# KiCad board Marble_Tiny.kicad_pcb
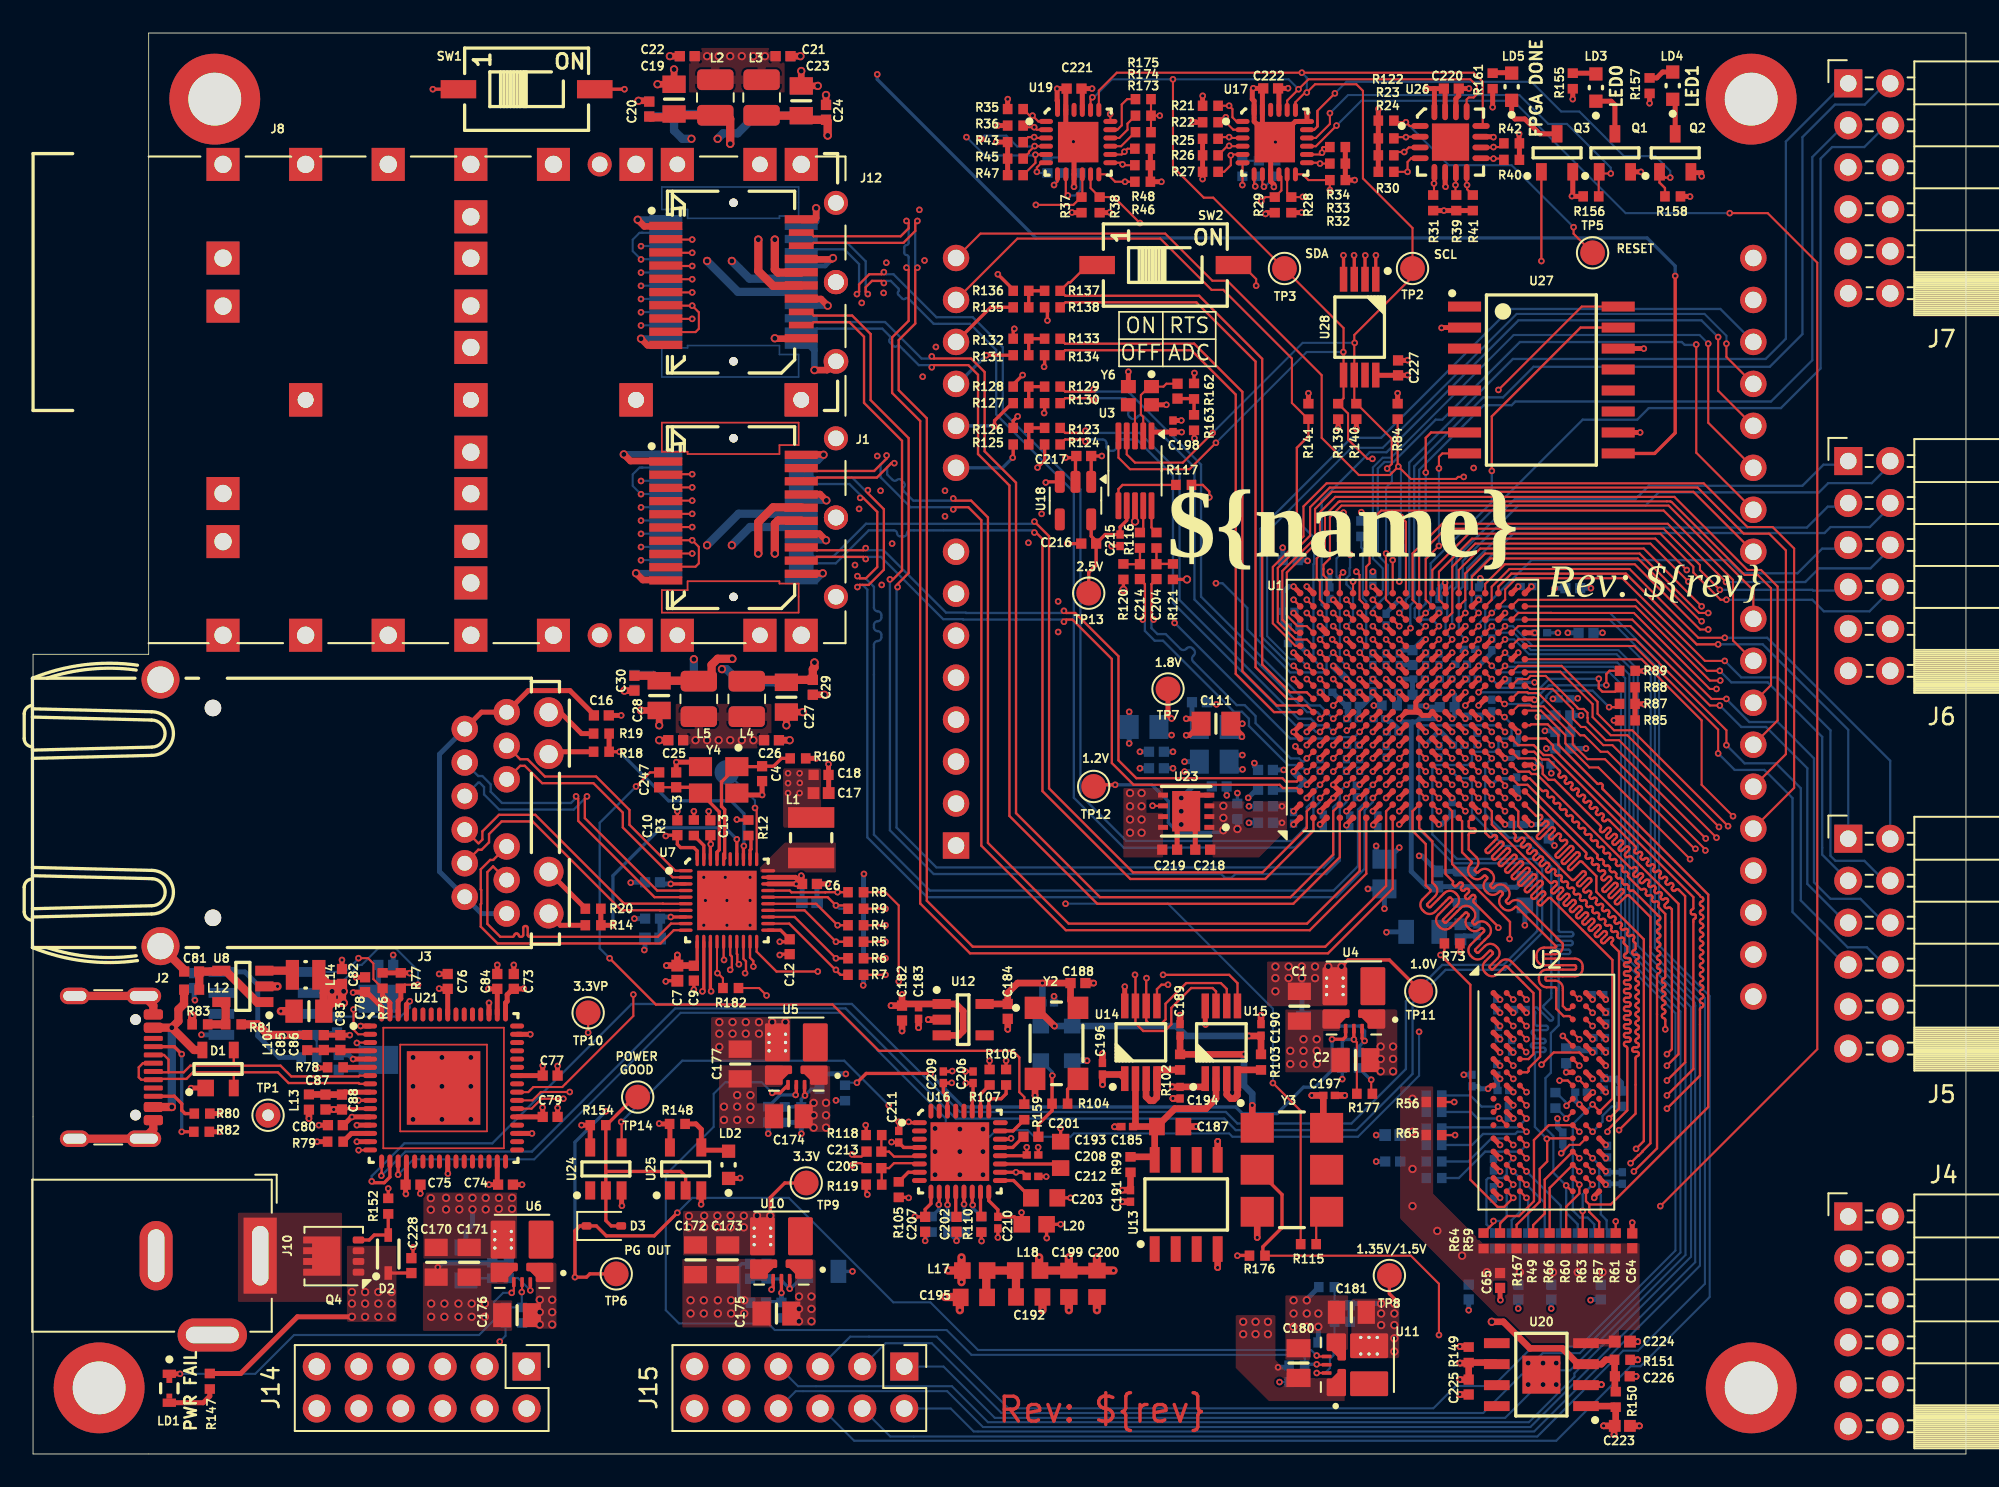
[diagram p0: board, top side]
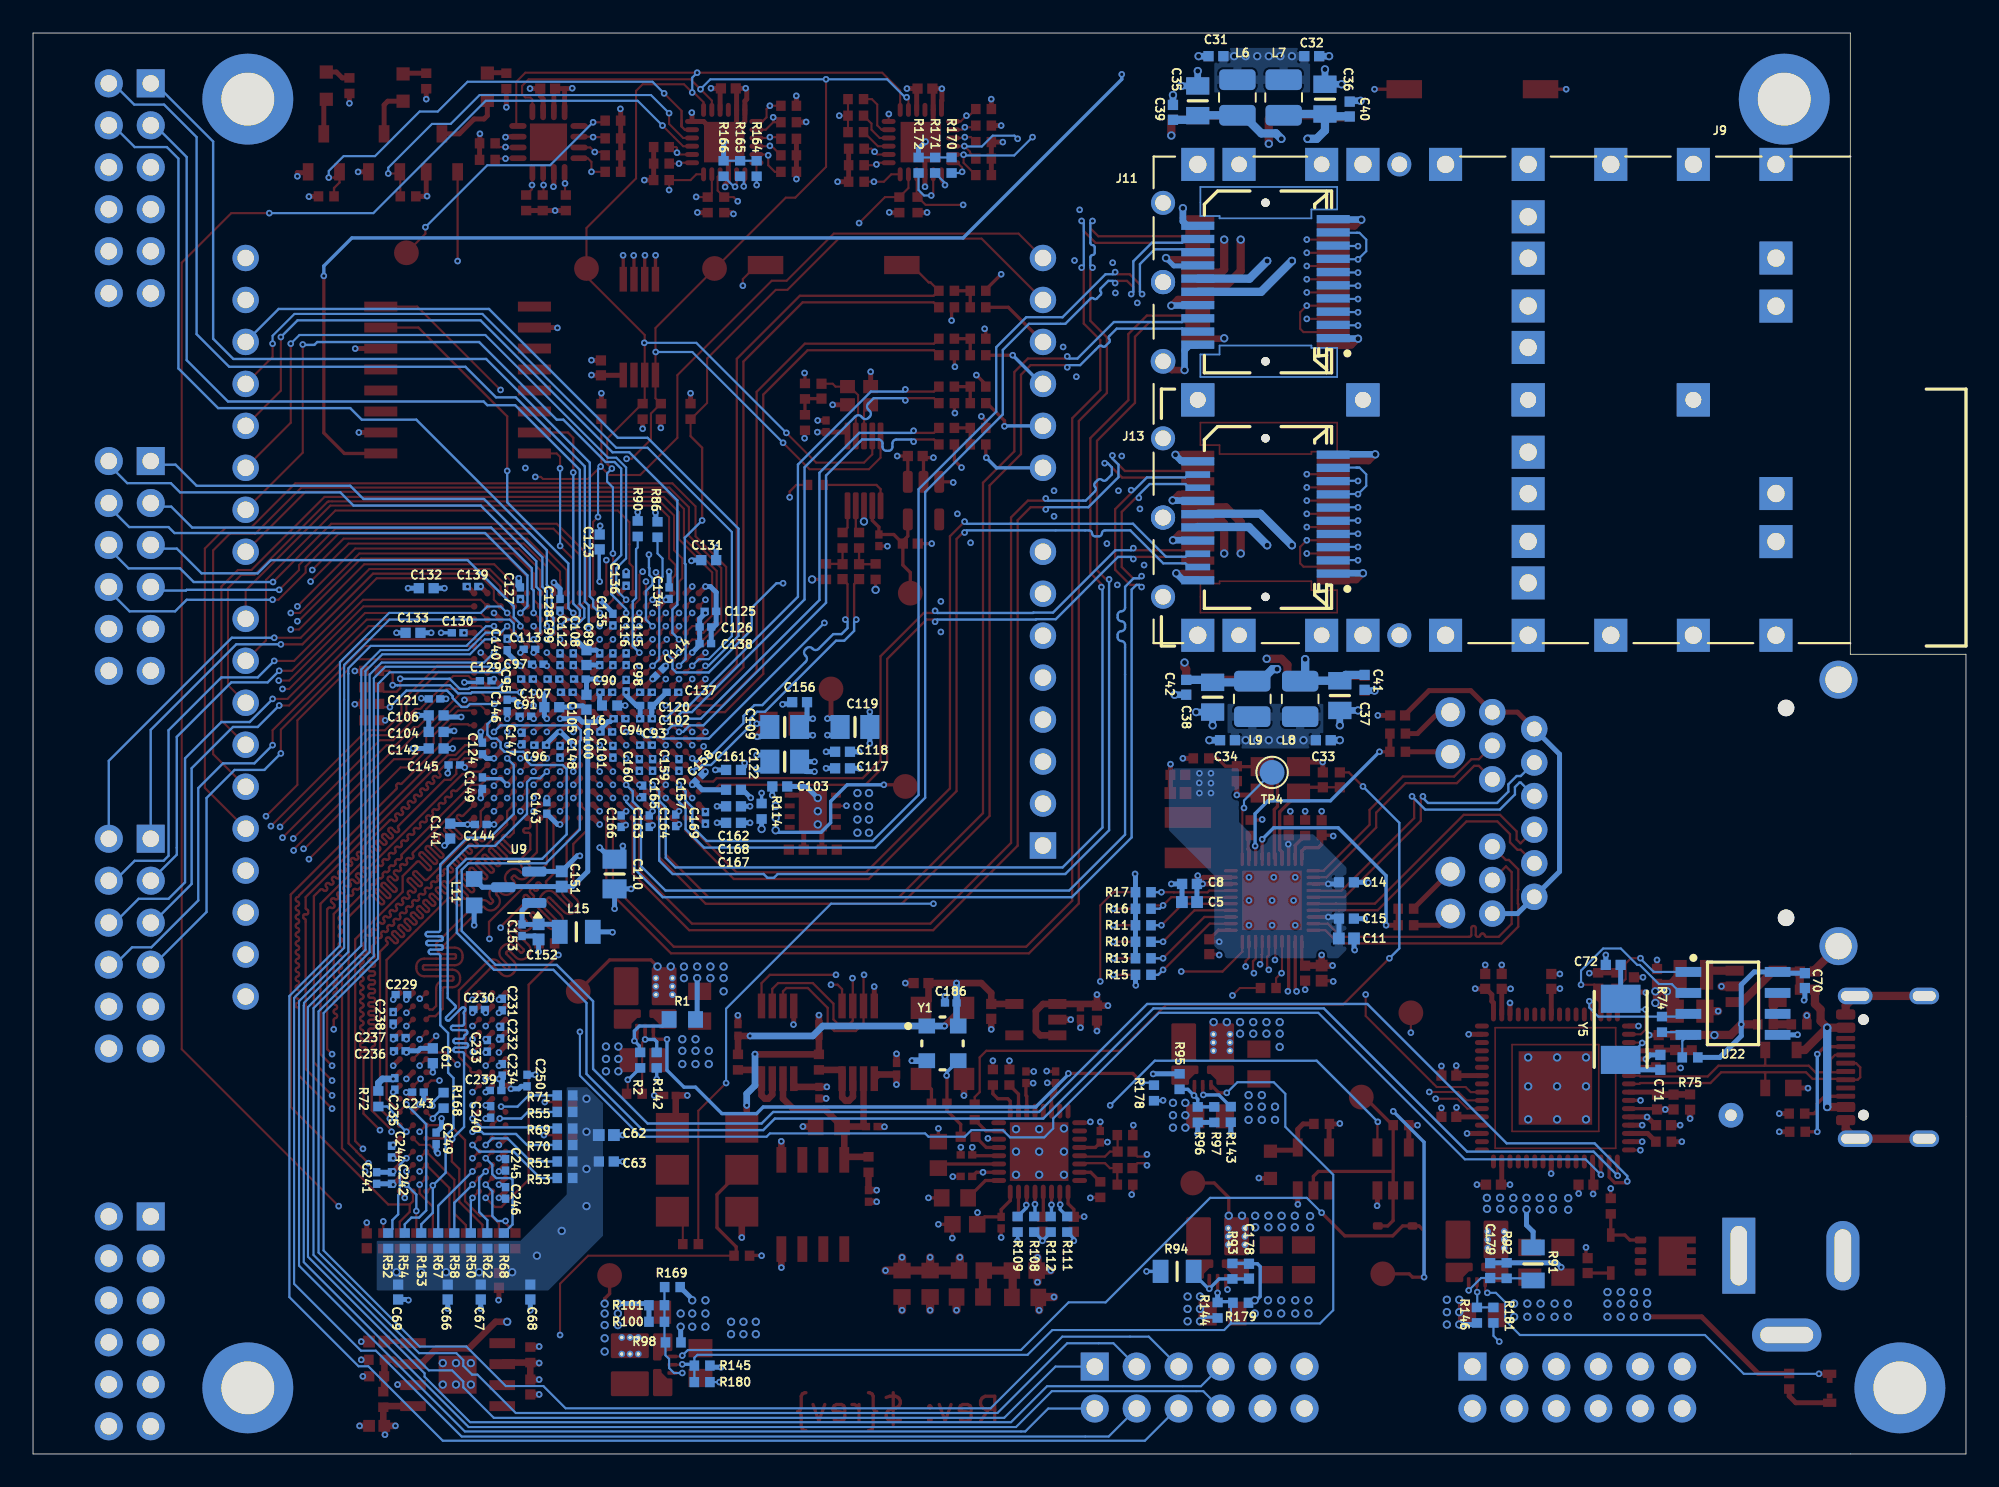
[diagram p1: board, bottom side, seen from below]

Outline 117 x 86 mm; copper layers: Top, In1.Cu, In2.Cu, In3.Cu, In4.Cu, In5.Cu, In6.Cu, Bottom. Coordinates in mm from the lower left corner of the outline.
Outline path: 0,48.4 0,0 117,0 117,86 7,86 7,48.4 0,48.4
Stack: Top 0.035mm / dielectric 0.0994mm FR4 er 4.5 / In1.Cu 0.0152mm / dielectric 0.45mm FR4 er 4.5 / In2.Cu 0.0152mm / dielectric 0.1088mm FR4 er 4.5 / In3.Cu 0.0152mm / dielectric 0.45mm FR4 er 4.5 / In4.Cu 0.0152mm / dielectric 0.1088mm FR4 er 4.5 / In5.Cu 0.0152mm / dielectric 0.45mm FR4 er 4.5 / In6.Cu 0.0152mm / dielectric 0.0994mm FR4 er 4.5 / Bottom 0.035mm

## Placement (name value [footprint] x y rotation side)
A1  -  [Arduino_UNO_R3]  55.87 36.82 90 top
B1  PLATED_HOLE3.2_PAD5.5  [MTG320_550]  11 82 0 top
B2  PLATED_HOLE3.2_PAD5.5  [MTG320_550]  4 4 0 top
B3  PLATED_HOLE3.2_PAD5.5  [MTG320_550]  104 82 0 top
B4  PLATED_HOLE3.2_PAD5.5  [MTG320_550]  104 4 0 top
C1  CC0805_22UF_16V_10%_X5R  [CAPC2012X135N]  76.65 27.1 90 top
C2  CC0805_10UF_25V_10%_X5R  [CAPC2012X95N]  80.05 23.83 0 top
C3  CC0402_27PF_50V_5%_C0G  [CAPC1005X55N]  38.93 40.8 90 top  (not fitted)
C4  CC0402_27PF_50V_5%_C0G  [CAPC1005X55N]  44.13 41.17 270 top  (not fitted)
C5  CC0402_10UF_6.3V_20%_X5R  [CAPC1005X70N]  47 33.4 180 bottom
C6  CC0402_100NF_50V_10%_X7R  [CAPC1005X55N]  47 34.5 180 top
C7  CC0402_10UF_6.3V_20%_X5R  [CAPC1005X70N]  39 29.1 90 top
C8  CC0402_100NF_50V_10%_X7R  [CAPC1005X55N]  47 34.5 180 bottom
C9  CC0402_100NF_50V_10%_X7R  [CAPC1005X55N]  40 29.1 90 top
C10  CC0402_100NF_50V_10%_X7R  [CAPC1005X55N]  39 37.9 270 top
C11  CC0402_10UF_6.3V_20%_X5R  [CAPC1005X70N]  37.5 31.2 0 bottom
C12  CC0402_100NF_50V_10%_X7R  [CAPC1005X55N]  45.8 30.7 90 top
C13  CC0402_100NF_50V_10%_X7R  [CAPC1005X55N]  41 37.9 270 top
C14  CC0402_100NF_50V_10%_X7R  [CAPC1005X55N]  37.5 34.6 0 bottom
C15  CC0402_100NF_50V_10%_X7R  [CAPC1005X55N]  37.5 32.4 0 bottom
C16  CC0402_100NF_50V_10%_X7R  [CAPC1005X55N]  34.4 44.7 180 top
C17  CC0402_10UF_6.3V_20%_X5R  [CAPC1005X70N]  47.7 40 180 top
C18  CC0402_100NF_50V_10%_X7R  [CAPC1005X55N]  47.7 41.1 180 top
C19  CC0805_22UF_16V_10%_X5R  [CAPC2012X135N]  38.8 82 270 top
C20  CC0402_100NF_50V_10%_X7R  [CAPC1005X55N]  37.3 81.4 270 top
C21  CC0402_100NF_50V_10%_X7R  [CAPC1005X55N]  45.4 84.6 180 top
C22  CC0402_100NF_50V_10%_X7R  [CAPC1005X55N]  39.6 84.6 0 top
C23  CC0805_22UF_16V_10%_X5R  [CAPC2012X135N]  46.5 81.9 270 top
C24  CC0402_100NF_50V_10%_X7R  [CAPC1005X55N]  48 81.2 270 top
C25  CC0402_100NF_50V_10%_X7R  [CAPC1005X55N]  38.9 43.2 0 top
C26  CC0402_100NF_50V_10%_X7R  [CAPC1005X55N]  44.7 43.2 180 top
C27  CC0805_22UF_16V_10%_X5R  [CAPC2012X135N]  45.6 45.8 90 top
C28  CC0805_22UF_16V_10%_X5R  [CAPC2012X135N]  37.9 45.9 90 top
C29  CC0402_100NF_50V_10%_X7R  [CAPC1005X55N]  47.2 46.4 90 top
C30  CC0402_100NF_50V_10%_X7R  [CAPC1005X55N]  36.4 46.65 90 top
C31  CC0402_100NF_50V_10%_X7R  [CAPC1005X55N]  45.4 84.6 180 bottom
C32  CC0402_100NF_50V_10%_X7R  [CAPC1005X55N]  39.6 84.6 0 bottom
C33  CC0402_100NF_50V_10%_X7R  [CAPC1005X55N]  38.9 43.2 0 bottom
C34  CC0402_100NF_50V_10%_X7R  [CAPC1005X55N]  44.7 43.2 180 bottom
C35  CC0805_22UF_16V_10%_X5R  [CAPC2012X135N]  46.5 81.9 270 bottom
C36  CC0805_22UF_16V_10%_X5R  [CAPC2012X135N]  38.8 82 270 bottom
C37  CC0805_22UF_16V_10%_X5R  [CAPC2012X135N]  37.9 45.9 90 bottom
C38  CC0805_22UF_16V_10%_X5R  [CAPC2012X135N]  45.6 45.8 90 bottom
C39  CC0402_100NF_50V_10%_X7R  [CAPC1005X55N]  48 81.2 270 bottom
C40  CC0402_100NF_50V_10%_X7R  [CAPC1005X55N]  37.3 81.4 270 bottom
C41  CC0402_100NF_50V_10%_X7R  [CAPC1005X55N]  36.4 46.7 90 bottom
C42  CC0402_100NF_50V_10%_X7R  [CAPC1005X55N]  47.2 46.4 90 bottom
C61  CC0402_4.7UF_16V_20%_X5R  [CAPC1005X55N]  92.8 24.1 270 bottom
C62  CC0402_10UF_6.3V_20%_X5R  [CAPC1005X70N]  82.3 19.3 180 bottom
C63  CC0402_100NF_50V_10%_X7R  [CAPC1005X55N]  82.3 17.7 180 bottom
C64  CC0402_100NF_50V_10%_X7R  [CAPC1005X55N]  96.8 12.9 90 top
C65  CC0402_100NF_50V_10%_X7R  [CAPC1005X55N]  88.8 10.5 270 top
C66  CC0402_100NF_50V_10%_X7R  [CAPC1005X55N]  91.9 9.8 270 bottom
C67  CC0402_100NF_50V_10%_X7R  [CAPC1005X55N]  89.9 9.8 270 bottom
C68  CC0402_100NF_50V_10%_X7R  [CAPC1005X55N]  86.9 9.8 270 bottom
C69  CC0402_100NF_50V_10%_X7R  [CAPC1005X55N]  94.9 9.8 270 bottom
C70  CC0402_100NF_50V_10%_X7R  [CAPC1005X55N]  9.75 28.65 90 bottom
C71  CC0402_27PF_50V_5%_C0G  [CAPC1005X55N]  18.5 23.7 90 bottom
C72  CC0402_27PF_50V_5%_C0G  [CAPC1005X55N]  21.35 29.6 0 bottom
C73  CC0402_4.7UF_16V_20%_X5R  [CAPC1005X55N]  29.1 28.6 90 top
C74  CC0402_100NF_50V_10%_X7R  [CAPC1005X55N]  28.6 16.3 180 top
C75  CC0402_100NF_50V_10%_X7R  [CAPC1005X55N]  23 16.3 180 top
C76  CC0402_100NF_50V_10%_X7R  [CAPC1005X55N]  25.1 28.6 270 top
C77  CC0402_100NF_50V_10%_X7R  [CAPC1005X55N]  31.3 22.9 180 top
C78  CC0402_100NF_50V_10%_X7R  [CAPC1005X55N]  20.1 28.4 270 top
C79  CC0402_100NF_50V_10%_X7R  [CAPC1005X55N]  31.3 20.4 180 top
C80  CC0402_100NF_50V_10%_X7R  [CAPC1005X55N]  18.3 19.9 0 top
C81  CC0402_4.7UF_16V_20%_X5R  [CAPC1005X55N]  9.6 29.2 0 top
C82  CC0402_100NF_50V_10%_X7R  [CAPC1005X55N]  18.7 28.9 270 top
C83  CC0805_22UF_16V_10%_X5R  [CAPC2012X135N]  16.7 26.8 0 top
C84  CC0402_100NF_50V_10%_X7R  [CAPC1005X55N]  28.1 28.6 90 top
C85  CC0402_4.7UF_16V_20%_X5R  [CAPC1005X55N]  17.6 24.9 270 top
C86  CC0402_100NF_50V_10%_X7R  [CAPC1005X55N]  18.6 24.9 270 top
C87  CC0402_4.7UF_16V_20%_X5R  [CAPC1005X55N]  17.7 21.3 90 top
C88  CC0402_100NF_50V_10%_X7R  [CAPC1005X55N]  18.7 21.3 90 top
C89  CC0201_470NF_4V_20%_X5R  [CAPC0603X33N]  82.7 48.1 270 bottom
C90  CC0201_470NF_4V_20%_X5R  [CAPC0603X33N]  83.9 46.9 0 bottom
C91  CC0201_470NF_4V_20%_X5R  [CAPC0603X33N]  87.2 44.65 0 bottom
C92  CC0201_470NF_4V_20%_X5R  [CAPC0603X33N]  85.5 46.9 0 bottom
C93  CC0201_470NF_4V_20%_X5R  [CAPC0603X33N]  79.9 42.9 0 bottom
C94  CC0201_470NF_4V_20%_X5R  [CAPC0603X33N]  81.5 44.5 0 bottom
C95  CC0201_470NF_4V_20%_X5R  [CAPC0603X33N]  87.1 46.9 0 bottom
C96  CC0201_470NF_4V_20%_X5R  [CAPC0603X33N]  86.3 42.9 180 bottom
C97  CC0201_47NF_6.3V_10%_X5R  [CAPC0603X33N]  86.45 47.8 0 bottom
C98  CC0201_47NF_6.3V_10%_X5R  [CAPC0603X33N]  81.1 46.5 270 bottom
C99  CC0201_47NF_6.3V_10%_X5R  [CAPC0603X33N]  85.1 48.1 270 bottom
C100  CC0201_47NF_6.3V_10%_X5R  [CAPC0603X33N]  82.3 43.7 0 bottom
C101  CC0201_47NF_6.3V_10%_X5R  [CAPC0603X33N]  81.9 42.5 90 bottom
C102  CC0201_47NF_6.3V_10%_X5R  [CAPC0603X33N]  79.9 44.5 0 bottom
C103  CC0402_4.7UF_16V_20%_X5R  [CAPC1005X55N]  71.8 40.4 0 bottom
C104  CC0402_4.7UF_16V_20%_X5R  [CAPC1005X55N]  92.6 43.7 180 bottom
C105  CC0402_4.7UF_16V_20%_X5R  [CAPC1005X55N]  83.5 45.5 270 bottom
C106  CC0402_4.7UF_16V_20%_X5R  [CAPC1005X55N]  92.6 44.7 180 bottom
C107  CC0402_4.7UF_16V_20%_X5R  [CAPC1005X55N]  85.6 45.2 180 bottom
C108  CC0402_4.7UF_16V_20%_X5R  [CAPC1005X55N]  83.5 48.2 270 bottom
C109  CC0805_100UF_6.3V_20%_X5R  [CAPC2012X145N]  71.5 44 0 bottom
C110  CC0805_100UF_6.3V_20%_X5R  [CAPC2012X145N]  81.8 35.1 90 bottom
C111  CC0805_100UF_6.3V_20%_X5R  [CAPC2012X145N]  71.6 44.2 0 top
C112  CC0201_47NF_6.3V_10%_X5R  [CAPC0603X33N]  84.3 48.1 90 bottom
C113  CC0201_470NF_4V_20%_X5R  [CAPC0603X33N]  86.95 48.7 0 bottom
C114  CC0201_470NF_4V_20%_X5R  [CAPC0603X33N]  79.1 47.3 315 bottom
C115  CC0201_470NF_4V_20%_X5R  [CAPC0603X33N]  81.1 48.1 270 bottom
C116  CC0201_470NF_4V_20%_X5R  [CAPC0603X33N]  81.9 48.1 90 bottom
C117  CC0402_4.7UF_16V_20%_X5R  [CAPC1005X55N]  68 41.5 0 bottom
C118  CC0402_4.7UF_16V_20%_X5R  [CAPC1005X55N]  68 42.5 0 bottom
C119  CC0805_100UF_6.3V_20%_X5R  [CAPC2012X145N]  67.25 44 0 bottom
C120  CC0201_470NF_4V_20%_X5R  [CAPC0603X33N]  79.9 45.3 0 bottom
C121  CC0201_47NF_6.3V_10%_X5R  [CAPC0603X33N]  92.7 45.7 180 bottom
C122  CC0805_100UF_6.3V_20%_X5R  [CAPC2012X145N]  71.5 41.9 0 bottom
C123  CC0402_4.7UF_16V_20%_X5R  [CAPC1005X55N]  82.7 55.2 270 bottom
C124  CC0201_470NF_4V_20%_X5R  [CAPC0603X33N]  89.8 42.7 90 bottom
C125  CC0201_470NF_4V_20%_X5R  [CAPC0603X33N]  76 51 0 bottom
C126  CC0201_470NF_4V_20%_X5R  [CAPC0603X33N]  76.3 50.05 0 bottom
C127  CC0201_470NF_4V_20%_X5R  [CAPC0603X33N]  87.5 52.1 270 bottom
C128  CC0201_47NF_6.3V_10%_X5R  [CAPC0603X33N]  85.1 51.4 270 bottom
C129  CC0201_47NF_6.3V_10%_X5R  [CAPC0603X33N]  89.6 46.8 180 bottom
C130  CC0201_47NF_6.3V_10%_X5R  [CAPC0603X33N]  91.3 49.7 180 bottom
C131  CC0402_4.7UF_16V_20%_X5R  [CAPC1005X55N]  76.1 54.1 0 bottom
C132  CC0402_4.7UF_16V_20%_X5R  [CAPC1005X55N]  93.2 52.4 180 bottom
C133  CC0402_4.7UF_16V_20%_X5R  [CAPC1005X55N]  94 49.7 180 bottom
C134  CC0201_470NF_4V_20%_X5R  [CAPC0603X33N]  78.5 52.1 270 bottom
C135  CC0201_470NF_4V_20%_X5R  [CAPC0603X33N]  81.9 50.5 270 bottom
C136  CC0201_470NF_4V_20%_X5R  [CAPC0603X33N]  81.1 52.9 270 bottom
C137  CC0201_470NF_4V_20%_X5R  [CAPC0603X33N]  78.3 46.1 180 bottom
C138  CC0201_47NF_6.3V_10%_X5R  [CAPC0603X33N]  76.31 49.05 0 bottom
C139  CC0201_47NF_6.3V_10%_X5R  [CAPC0603X33N]  90.4 52.5 180 bottom
C140  CC0201_47NF_6.3V_10%_X5R  [CAPC0603X33N]  88.3 49 90 bottom
C141  CC0402_4.7UF_16V_20%_X5R  [CAPC1005X55N]  91.75 37.7 270 bottom
C142  CC0402_4.7UF_16V_20%_X5R  [CAPC1005X55N]  92.6 42.7 0 bottom
C143  CC0201_470NF_4V_20%_X5R  [CAPC0603X33N]  85.9 39.1 90 bottom
C144  CC0201_470NF_4V_20%_X5R  [CAPC0603X33N]  89.9 38.1 180 bottom
C145  CC0201_470NF_4V_20%_X5R  [CAPC0603X33N]  91.5 41.7 180 bottom
C146  CC0201_470NF_4V_20%_X5R  [CAPC0603X33N]  88.3 45.3 90 bottom
C147  CC0201_47NF_6.3V_10%_X5R  [CAPC0603X33N]  87.4 43.3 270 bottom
C148  CC0201_47NF_6.3V_10%_X5R  [CAPC0603X33N]  85.1 42.5 270 bottom
C149  CC0201_47NF_6.3V_10%_X5R  [CAPC0603X33N]  89.8 40.6 90 bottom
C150  CC0201_47NF_6.3V_10%_X5R  [CAPC0603X33N]  79.9 46.1 180 bottom
C151  CC0402_10UF_6.3V_20%_X5R  [CAPC1005X70N]  85 34.8 90 bottom
C152  CC0402_10UF_6.3V_20%_X5R  [CAPC1005X70N]  86.4 31.6 90 bottom
C153  CC0201_470NF_4V_20%_X5R  [CAPC0603X33N]  87.4 31.7 90 bottom
C154  CC0201_100NF_6.3V_10%_X5R  [CAPC0603X33N]  84.69 46.1 0 bottom
C155  CC0201_470NF_4V_20%_X5R  [CAPC0603X33N]  82.3 46.1 0 bottom
C156  CC0402_4.7UF_16V_20%_X5R  [CAPC1005X55N]  70.6 45.5 0 bottom
C157  CC0201_100NF_6.3V_10%_X5R  [CAPC0603X33N]  77.9 41.7 270 bottom
C158  CC0201_100NF_6.3V_10%_X5R  [CAPC0603X33N]  76.7 40.9 315 bottom
C159  CC0201_100NF_6.3V_10%_X5R  [CAPC0603X33N]  79.5 41.7 270 bottom
C160  CC0201_100NF_6.3V_10%_X5R  [CAPC0603X33N]  80.3 41.7 270 bottom
C161  CC0402_4.7UF_16V_20%_X5R  [CAPC1005X55N]  74.6 41.4 0 bottom
C162  CC0402_4.7UF_16V_20%_X5R  [CAPC1005X55N]  74.6 40.2 0 bottom
C163  CC0201_100NF_6.3V_10%_X5R  [CAPC0603X33N]  79.7 38.3 270 bottom
C164  CC0201_100NF_6.3V_10%_X5R  [CAPC0603X33N]  78.1 38.35 270 bottom
C165  CC0201_100NF_6.3V_10%_X5R  [CAPC0603X33N]  80.1 40.1 270 bottom
C166  CC0201_100NF_6.3V_10%_X5R  [CAPC0603X33N]  81.4 38.3 90 bottom
C167  CC0402_4.7UF_16V_20%_X5R  [CAPC1005X55N]  74.6 38.2 0 bottom
C168  CC0402_4.7UF_16V_20%_X5R  [CAPC1005X55N]  74.6 39.2 0 bottom
C169  CC0201_100NF_6.3V_10%_X5R  [CAPC0603X33N]  76.3 38.5 90 bottom
C170  CC0805_22UF_16V_10%_X5R  [CAPC2012X135N]  24.4 11.6 90 top
C171  CC0805_22UF_16V_10%_X5R  [CAPC2012X135N]  26.4 11.6 90 top
C172  CC0805_22UF_16V_10%_X5R  [CAPC2012X135N]  40.1 11.75 90 top
C173  CC0805_22UF_16V_10%_X5R  [CAPC2012X135N]  42.05 11.75 90 top
C174  CC0805_10UF_25V_10%_X5R  [CAPC2012X95N]  45.75 20.44 0 top
C175  CC0805_10UF_25V_10%_X5R  [CAPC2012X95N]  45 8.5 0 top
C176  CC0805_10UF_25V_10%_X5R  [CAPC2012X95N]  29.3 8.4 0 top
C177  CC0805_22UF_16V_10%_X5R  [CAPC2012X135N]  42.8 23.6 90 top
C178  CC0402_22PF_50V_5%_C0G  [CAPC1005X55N]  43.4 11.06 270 bottom
C179  CC0402_22PF_50V_5%_C0G  [CAPC1005X55N]  28.8 11.1 270 bottom
C180  CC0805_10UF_25V_10%_X5R  [CAPC2012X95N]  76.6 5.5 270 top
C181  CC0805_22UF_16V_10%_X5R  [CAPC2012X135N]  79.8 8.57 0 top
C182  CC0402_1UF_16V_10%_X5R  [CAPC1005X55N]  52.6 26.68 270 top
C183  CC0201_100NF_6.3V_10%_X5R  [CAPC0603X33N]  53.6 26.68 270 top
C184  CC0402_1UF_16V_10%_X5R  [CAPC1005X55N]  59 26.78 270 top
C185  CC0201_100NF_6.3V_10%_X5R  [CAPC0603X33N]  66.23 19.81 180 top
C186  CC0201_100NF_6.3V_10%_X5R  [CAPC0603X33N]  61.45 27.3 0 bottom
C187  CC0603_22UF_6.3V_20%_X5R  [CAPC1709X100N]  68.83 19.81 0 top
C188  CC0201_100NF_6.3V_10%_X5R  [CAPC1005X55N]  63.25 28.5 0 top
C189  CC0201_100NF_6.3V_10%_X5R  [CAPC0603X33N]  69.43 25.66 90 top
C190  CC0201_100NF_6.3V_10%_X5R  [CAPC0603X33N]  74.33 25.66 90 top
C191  CC0201_100NF_6.3V_10%_X5R  [CAPC0603X33N]  66.43 15.61 270 top
C192  CC0603_22UF_6.3V_20%_X5R  [CAPC1709X100N]  60.3 9.5 0 top
C193  CC0402_2.2NF_50V_10%_X7R  [CAPC1005X55N]  60.4 19.2 180 top
C194  CC0201_100NF_6.3V_10%_X5R  [CAPC0603X33N]  69.43 21.86 270 top
C195  CC0603_22UF_6.3V_20%_X5R  [CAPC1709X100N]  56.95 9.47 180 top
C196  CC0201_100NF_6.3V_10%_X5R  [CAPC0603X33N]  64.73 23.31 90 top
C197  CC0201_100NF_6.3V_10%_X5R  [CAPC0603X33N]  78.45 21.7 0 top
C198  CC0201_100NF_6.3V_10%_X5R  [CAPC0603X33N]  69 62.2 90 top
C199  CC0603_22UF_6.3V_20%_X5R  [CAPC1709X100N]  62.7 10.3 270 top
C200  CC0603_22UF_6.3V_20%_X5R  [CAPC1709X100N]  64.4 10.3 270 top
C201  CC0603_22UF_6.3V_20%_X5R  [CAPC1709X100N]  62.2 18.1 90 top
C202  CC0402_100NF_50V_10%_X7R  [CAPC1005X55N]  55.9 13.9 270 top
C203  CC0603_22UF_6.3V_20%_X5R  [CAPC1709X100N]  61.2 15.5 0 top
C204  CC0402_100NF_50V_10%_X7R  [CAPC1005X55N]  68 53.4 90 top
C205  CC0402_100NF_50V_10%_X7R  [CAPC1005X55N]  50.9 17.3 0 top
C206  CC0201_100NF_6.3V_10%_X5R  [CAPC0603X33N]  56.9 22.8 90 top
C207  CC0402_1UF_16V_10%_X5R  [CAPC1005X55N]  54 13.9 270 top
C208  CC0201_100NF_6.3V_10%_X5R  [CAPC0603X33N]  60.5 18.1 0 top
C209  CC0201_100NF_6.3V_10%_X5R  [CAPC0603X33N]  55.1 22.8 90 top
C210  CC0201_100NF_6.3V_10%_X5R  [CAPC0603X33N]  58.4 14 270 top
C211  CC0201_100NF_6.3V_10%_X5R  [CAPC0603X33N]  52.4 19.2 90 top
C212  CC0201_100NF_6.3V_10%_X5R  [CAPC0603X33N]  60.5 16.8 0 top
C213  CC0402_100NF_50V_10%_X7R  [CAPC1005X55N]  50.9 18.3 0 top
C214  CC0402_100NF_50V_10%_X7R  [CAPC1005X55N]  67 53.4 90 top
C215  CC0201_100NF_6.3V_10%_X5R  [CAPC0603X33N]  65.8 55.3 270 top
C216  CC0402_1UF_16V_10%_X5R  [CAPC1005X55N]  63.9 55.1 0 top
C217  CC0402_1UF_16V_10%_X5R  [CAPC1005X55N]  63.6 60.4 0 top
C218  CC0402_4.7UF_16V_20%_X5R  [CAPC1005X55N]  70.8 36.57 0 top
C219  CC0402_4.7UF_16V_20%_X5R  [CAPC1005X55N]  68.8 36.57 180 top
C220  CC0402_100NF_50V_10%_X7R  [CAPC1005X55N]  85.85 82.64 0 top
C221  CC0402_100NF_50V_10%_X7R  [CAPC1005X55N]  63.01 82.64 0 top
C222  CC0402_100NF_50V_10%_X7R  [CAPC1005X55N]  74.91 82.65 0 top
C223  CC0402_10UF_6.3V_20%_X5R  [CAPC1005X70N]  96.2 1.7 180 top
C224  CC0402_10UF_6.3V_20%_X5R  [CAPC1005X70N]  96.2 6.8 180 top
C225  CC0402_100NF_50V_10%_X7R  [CAPC1005X55N]  86.9 4.05 90 top
C226  CC0402_100NF_50V_10%_X7R  [CAPC1005X55N]  96.2 4.7 180 top
C227  CC0402_100NF_50V_10%_X7R  [CAPC1005X55N]  82.62 65.73 270 top
C228  CC0402_100NF_50V_10%_X7R  [CAPC1005X55N]  22.9 11.4 270 top
C229  CC0201_47NF_6.3V_10%_X5R  [CAPC0603X33N]  94.7 27.8 180 bottom
C230  CC0201_47NF_6.3V_10%_X5R  [CAPC0603X33N]  90 26.9 180 bottom
C231  CC0201_47NF_6.3V_10%_X5R  [CAPC0603X33N]  88.6 27.2 90 bottom
C232  CC0201_47NF_6.3V_10%_X5R  [CAPC0603X33N]  88.7 25.5 90 bottom
C233  CC0201_47NF_6.3V_10%_X5R  [CAPC0603X33N]  89.5 24.7 90 bottom
C234  CC0201_47NF_6.3V_10%_X5R  [CAPC0603X33N]  88.6 23.25 90 bottom
C235  CC0201_47NF_6.3V_10%_X5R  [CAPC0603X33N]  95.1 22.4 270 bottom
C236  CC0201_47NF_6.3V_10%_X5R  [CAPC0603X33N]  94.8 24.4 0 bottom
C237  CC0201_47NF_6.3V_10%_X5R  [CAPC0603X33N]  94.8 25.2 0 bottom
C238  CC0201_47NF_6.3V_10%_X5R  [CAPC0603X33N]  95.2 26.4 270 bottom
C239  CC0201_47NF_6.3V_10%_X5R  [CAPC0603X33N]  89 22 0 bottom
C240  CC0201_47NF_6.3V_10%_X5R  [CAPC0603X33N]  89.3 20.7 270 bottom
C241  CC0201_47NF_6.3V_10%_X5R  [CAPC0603X33N]  96.2 16.7 270 bottom
C242  CC0201_47NF_6.3V_10%_X5R  [CAPC0603X33N]  95.3 16.7 270 bottom
C243  CC0201_47NF_6.3V_10%_X5R  [CAPC0603X33N]  93.7 21.9 180 bottom
C244  CC0201_47NF_6.3V_10%_X5R  [CAPC0603X33N]  95.3 18.3 270 bottom
C245  CC0201_470NF_4V_20%_X5R  [CAPC0603X33N]  88.4 17.5 90 bottom
C246  CC0201_470NF_4V_20%_X5R  [CAPC0603X33N]  88.4 15.8 90 bottom
C247  CC0402_100NF_50V_10%_X7R  [CAPC1005X55N]  37.9 40.8 90 top
C248  CC0402_100NF_50V_10%_X7R  [CAPC1005X55N]  69.28 64.32 270 top
C249  CC0201_100NF_6.3V_10%_X5R  [CAPC0603X33N]  92.6 19.1 270 bottom
C250  CC0201_100NF_6.3V_10%_X5R  [CAPC0603X33N]  87.1 22.6 270 bottom
D1  PRTR5V0U2X  [SOT190P230X110-4N]  11.2 23.3 90 top
D2  MM3Z12VB  [SODFL2513X100N]  21.5 12.1 90 top
D3  BAS316  [D_SOD-323]  34.55 13.8 0 top
J1  TYCO_1888247-1  [TYCO_1367073-1]  42.4 56.67 0 top
J2  USB_C_Receptacle_USB2.0_16P  [USB_C_Receptacle_GCT_USB4105-xx-A_16P_TopMnt_Horizontal]  3.6 23.4 270 top
J3  BELFUSE_0826-1G1T-43-F  [BEL_0826-1G1T-43-F]  27.4 38.8 90 top
J4  Conn_02x06_Top_Bottom  [PinSocket_2x06_P2.54mm_Horizontal_PMOD]  109.88 1.67 180 top
J5  Conn_02x06_Top_Bottom  [PinSocket_2x06_P2.54mm_Horizontal_PMOD]  109.88 24.53 180 top
J6  Conn_02x06_Top_Bottom  [PinSocket_2x06_P2.54mm_Horizontal_PMOD]  109.88 47.39 180 top
J7  Conn_02x06_Top_Bottom  [PinSocket_2x06_P2.54mm_Horizontal_PMOD]  109.88 70.25 180 top
J8  2180739-1  [TE_2180739-1]  42.4 63.8 270 top
J9  2180739-1  [TE_2180739-1#2]  42.4 63.8 90 bottom
J10  Barrel_Jack_Switch  [BarrelJack_GCT_DCJ200-10-A_Horizontal]  13.75 12 270 top
J11  TYCO_1888247-1  [TYCO_1367073-1]  42.4 70.93 0 bottom
J12  -  [TYCO_1888247-1]  42.4 70.93 0 top
J13  -  [TYCO_1888247-1]  42.4 56.67 0 bottom
J14  Conn_02x06_Top_Bottom  [PinSocket_2x06_P2.54mm_Vertical_PMOD]  17.17 5.29 90 top
J15  Conn_02x06_Top_Bottom  [PinSocket_2x06_P2.54mm_Vertical_PMOD]  40.03 5.29 90 top
L1  IND_2.2UH_20%_BOURNS_SRP3212  [IND_BOURNS_SRP3212]  47.1 37.3 90 top
L2  4.7 uH  [L_1008_2520Metric]  41.3 82.1 270 top
L3  4.7 uH  [L_1008_2520Metric]  44.1 82.1 270 top
L4  4.7 uH  [L_1008_2520Metric]  43.2 45.7 90 top
L5  4.7 uH  [L_1008_2520Metric]  40.3 45.7 90 top
L6  4.7 uH  [L_1008_2520Metric]  44.1 82.1 270 bottom
L7  4.7 uH  [L_1008_2520Metric]  41.3 82.1 270 bottom
L8  4.7 uH  [L_1008_2520Metric]  40.3 45.7 90 bottom
L9  4.7 uH  [L_1008_2520Metric]  43.2 45.7 90 bottom
L10  IND0402_MURATA_BLM15PX121SN1D  [INDC1005X55N]  16.6 24.9 270 top
L11  IND0603_MURATA_BLM18AG601SN1  [INDC1608X95N]  90.3 34 90 bottom
L12  IND0402_MURATA_BLM15PX121SN1D  [INDC1005X55N]  9.6 28.1 0 top
L13  IND0402_MURATA_BLM15PX121SN1D  [INDC1005X55N]  16.7 21.3 90 top
L14  IND_2.2UH_20%_WURTH_WE-PMCI_74479276222C  [IND_WURTH_WE-PMCI_0806LR]  16.5 29 0 top
L15  IND0805_TDK_MLZ2012M150WT000  [INDC2013X145N]  84.12 31.6 0 bottom
L16  IND0402_MURATA_BLM15HB221SN1  [INDC1005X55N]  82.1 45.3 0 bottom
L17  IND0603_MURATA_BLM18SG121TN1D  [INDC1608X65N]  57 11.1 0 top
L18  IND0603_MURATA_BLM18SG121TN1D  [INDC1608X65N]  60.2 11.1 0 top
L20  IND0603_MURATA_BLM18SG121TN1D  [INDC1608X65N]  60.6 13.9 0 top
LD1  LED_OSRAM_LS_Q976-NR-1  [LED_OSRAM_LS Q976]  8.25 3.97 270 top